# Altium PCB Mother  Board.PcbDoc (part 3 of 4)
Units mil, origin at the board's own origin, x right, y up, seen from the top; angles counter-clockwise.
Board outline 4560 x 3740 mil, 4 copper layers (Signal 1, GND, Power, Signal 2), stack 47.091 mil thick; 315 components, 464 nets, 1661 pads, 728 vias.
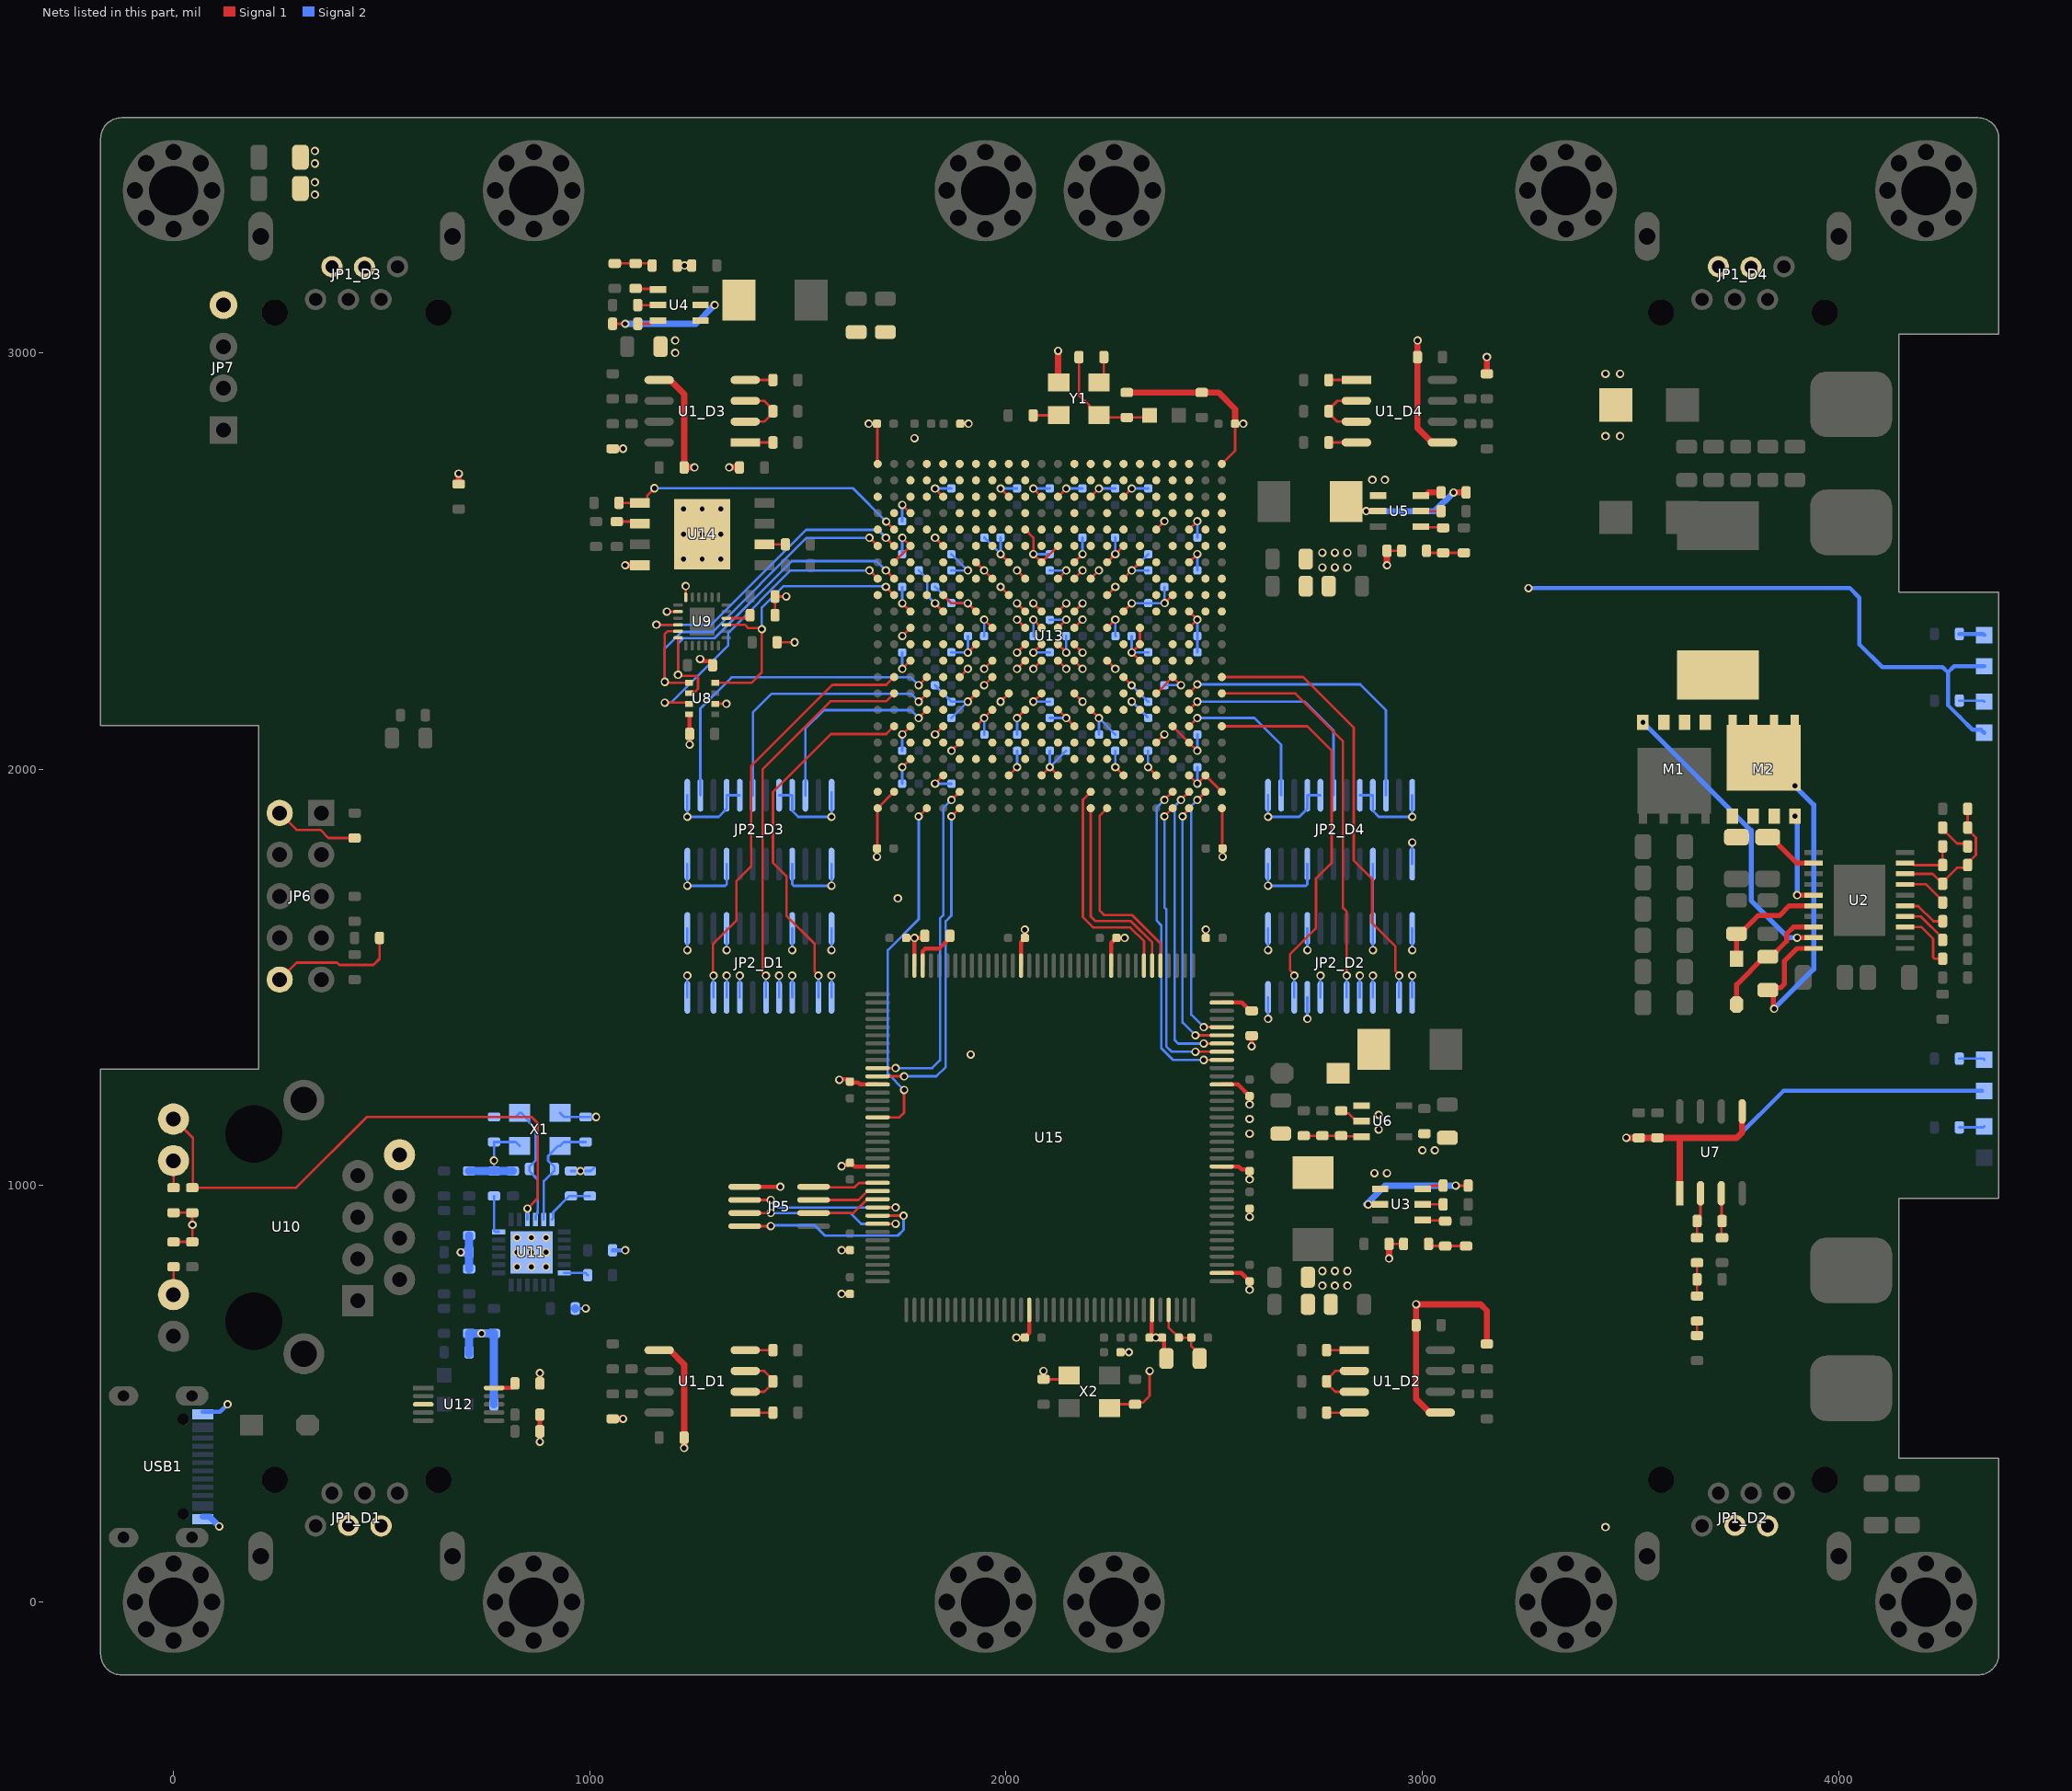
[diagram p5: the nets of this part, all layers, seen from the top]

## Via types
v1: diameter 20, hole 12, Signal 1 to Signal 2, tented both sides, 690 vias
v2: diameter 20, hole 12, Signal 1 to Signal 2, 28 vias
v3: diameter 27.56, hole 27.56, Signal 1 to Signal 2, 10 vias

## Nets (pads, with @x,y where several pads share a name; then routed paths per layer and width w, separated by ;. In a path a pad name is that pad's centre, name@x,y a point inside that pad or via, vN(x,y) a via of type N, cw(c..) or ccw(c..) an arc to the next point about the centre after c; other vN are vias at no path point) (continued)
FSMC_D8: U13.AA19 U15.64 | length 793.6
  Signal 1 w6: v1(2380.59,1926.3) U13.AA19@2400.28,1945.98 ; v1(2475.02,1302.01) U15.64@2518.31,1302.01
  Signal 2 w6: v1(2380.59,1926.3) 2361.59,1907.3 2361.59,1636.82 2373,1625.41 2373,1330.03 2401.02,1302.01 v1(2475.02,1302.01)
FSMC_D9: U13.AB19 U15.65 | length 720.4
  Signal 1 w6: v1(2380.59,1886.93) U13.AB19@2400.28,1906.61 ; v1(2454.86,1321.69) U15.65@2518.31,1321.69
  Signal 2 w6: v1(2380.59,1886.93) 2380.59,1668.14 2385,1663.73 2385,1335 2398.31,1321.69 v1(2454.86,1321.69)
FSMC_D10: U13.AA20 U15.66 | length 727.2
  Signal 1 w6: v1(2419.96,1926.3) U13.AA20@2439.65,1945.98 ; v1(2475.02,1341.38) U15.66@2518.31,1341.38
  Signal 2 w6: v1(2419.96,1926.3) 2405,1911.34 2405,1350 2413.62,1341.38 v1(2475.02,1341.38)
FSMC_D11: U13.AB20 U15.67 | length 628.3
  Signal 1 w6: v1(2424,1886.93) 2424,1888.95 2439.65,1904.59 U13.AB20@2439.65,1906.61 ; v1(2454.86,1361.06) U15.67@2518.31,1361.06
  Signal 2 w6: v1(2424,1886.93) 2424,1391.92 v1(2454.86,1361.06)
FSMC_D12: U13.AA21 U15.68 | length 635.1
  Signal 1 w6: v1(2459.33,1926.3) U13.AA21@2479.02,1945.98 ; v1(2475.02,1380.75) U15.68@2518.31,1380.75
  Signal 2 w6: v1(2459.33,1926.3) 2445,1911.97 2445,1410.76 v1(2475.02,1380.75)
FSMC_D13: U13.AB15 U15.77 | length 485.5
  Signal 1 w6: U13.AB15@2242.8,1906.61 2225,1888.82 2225,1660 2235,1650 2302.54,1650 2370.68,1581.86 U15.77@2370.68,1528.39
FSMC_D14: U13.AB14 U15.78 | length 489.5
  Signal 1 w6: U13.AB14@2203.43,1906.61 2203.43,1646.57 2214.37,1635.63 2299.94,1635.63 2350.99,1584.58 U15.78@2350.99,1528.39
FSMC_D15: U13.AA14 U15.79 | length 538.1
  Signal 1 w6: U13.AA14@2203.43,1945.98 2184.58,1927.14 2184.58,1645.42 2210,1620 2298.6,1620 2331.31,1587.29 U15.79@2331.31,1528.39
FSMC_NE2: U13.AB4 U15.124 | length 854.6
  Signal 1 w6: U15.124@1691.54,1164.21 1744.21,1164.21 1755,1175 v1(1755,1230) ; v1(1790.04,1886.93) U13.AB4@1809.72,1906.61
  Signal 2 w6: v1(1755,1230) 1715.84,1269.16 1715.84,1565.84 1790,1640 v1(1790.04,1886.93)
FSMC_NOE: U13.AA6 U15.118 | length 821.8
  Signal 1 w6: U15.118@1691.54,1282.32 v1(1734.84,1282.32) ; v1(1868.78,1926.3) U13.AA6@1888.46,1945.98
  Signal 2 w6: v1(1734.84,1282.32) 1822.32,1282.32 1841.41,1301.41 1841.41,1641.41 1849.09,1649.09 1849.09,1906.61 v1(1868.78,1926.3)
FSMC_NWE: U13.AB6 U15.119 | length 808.2
  Signal 1 w6: U15.119@1691.54,1262.64 v1(1755,1262.64) ; v1(1868.78,1886.93) U13.AB6@1888.46,1906.61
  Signal 2 w6: v1(1755,1262.64) 1832.64,1262.64 1855,1285 1855,1635 1868.78,1648.78 v1(1868.78,1886.93)
GND: C1_D1.1 C1_D2.1 C1_D3.1 C1_D4.1 C17.2 C18.2 C19.2 C20.2 C21.2 C22.2 C23.1 C24.1 C25.1 C26.1 C27.1 C28.1 C30.1 C31.1 C32.1 C34.2 C35.2 C36.1 C37.1 C38.1 C39.1 C40.1 C41.1 C42.1 C43.1 C44.1 C45.1 C46.1 C47.1 C48.2 C49.2 C50.2 C51.2 C52.2 C53.2 C54.2 C55.2 C56.2 C57.1 C58.1 C59.1 C60.1 C61.1 C62.1 C63.1 C64.1 C65.1 C66.1 C67.1 C68.1 C69.1 C70.1 C71.1 C72.1 C73.1 C74.1 C75.1 C76.1 C77.1 C78.1 C79.1 C80.1 C81.1 C82.1 C83.1 C84.1 C85.1 C86.1 C87.1 C88.1 C89.1 C90.1 C91.1 C92.1 C93.1 C94.1 C95.1 C96.1 C97.1 C98.1 C99.1 C100.1 C101.1 C102.1 C103.2 C104.1 C105.1 C106.1 C107.1 C108.1 C109.1 C110.1 C111.1 C112.1 C113.1 C114.1 C115.1 C117.1 C118.1 C119.1 C120.2 C121.1 C122.1 C123.1 C124.1 C125.1 C126.2 C127.2 C128.2 C129.2 C130.2 C131.2 C132.2 C133.2 C134.2 C135.2 C136.2 C137.2 C138.2 C139.2 C140.1 C141.1 C142.1 C143.1 C144.1 C147.1 C148.1 C149.2 JP1_D1.2 JP1_D1.4 JP1_D2.2 JP1_D2.4 JP1_D3.2 JP1_D3.4 JP1_D4.2 JP1_D4.4 JP2_D1.1 JP2_D1.2 JP2_D1.7 JP2_D1.8 JP2_D1.10 JP2_D1.16 JP2_D1.17 JP2_D1.18 JP2_D1.23 JP2_D1.24 JP2_D2.1 JP2_D2.2 JP2_D2.7 JP2_D2.8 JP2_D2.10 JP2_D2.16 JP2_D2.17 JP2_D2.18 JP2_D2.23 JP2_D2.24 JP2_D3.1 JP2_D3.2 JP2_D3.7 JP2_D3.8 JP2_D3.10 JP2_D3.16 JP2_D3.17 JP2_D3.18 JP2_D3.23 JP2_D3.24 JP2_D4.1 JP2_D4.2 JP2_D4.7 JP2_D4.8 JP2_D4.10 JP2_D4.16 JP2_D4.17 JP2_D4.18 JP2_D4.23 JP2_D4.24 JP5.8 JP6.2 JP6.10 JP7.4 LED2.K LED3.K LED4.K NT1.2 R1_D1.2 R1_D2.2 R1_D3.2 R1_D4.2 R23.2 R24.2 R25.2 R27.2 R33.1 R34.1 R39.1 R40.1 R43.2 R44.1 R46.1 R60.2 R61.2 R63.2 R65.2 U1_D1.5 U1_D2.5 U1_D3.5 U1_D4.5 U3.1 U4.1 U5.1 U6.2 U7.1 U7.5 U8.1 U8.7 U9.18 U9.20 U10.8 U11.25 U12.3 U13.A1 U13.A22 U13.AA2 U13.AA22 U13.AB1 U13.AB22 U13.C5 U13.C9 U13.C11 U13.C12 U13.C14 U13.C16 U13.D3 U13.E10 U13.E18 U13.E20 U13.F3 U13.F5 U13.F12 U13.F16 U13.G2 U13.G7 U13.G9 U13.G11 U13.G13 U13.G15 U13.G17 U13.G20 U13.H8 U13.H10 U13.H12 U13.H13 U13.H14 U13.H16 U13.J5 U13.J9 U13.J15 U13.J19 U13.K3 U13.K7 U13.K10 U13.K11 U13.K12 U13.K13 U13.K16 U13.K20 U13.L3 U13.L8 U13.L10 U13.L11 U13.L12 U13.L13 U13.L15 U13.L17 U13.L20 U13.M7 U13.M10 U13.M11 U13.M12 U13.M13 U13.M17 U13.N3 U13.N8 U13.N10 U13.N11 U13.N12 U13.N13 U13.N15 U13.N17 U13.P6 U13.P8 U13.P16 U13.P19 U13.R7 U13.R9 U13.R11 U13.R13 U13.R18 U13.T8 U13.T10 U13.T12 U13.T14 U13.U3 U13.U5 U13.U7 U13.U13 U13.U19 U13.V6 U13.V18 U13.V20 U13.W3 U13.Y5 U13.Y9 U13.Y11 U13.Y12 U13.Y16 U13.Y18 U13.Y20 U13.Y21 U14.4 U14.9 U15.16 U15.31 U15.38 U15.51 U15.61 U15.83 U15.94 U15.107 U15.120 U15.130 USB1.A1 USB1.A12 USB1.B1 USB1.B12 X1.2 X1.4 X2.2 X2.4 Y1.2 | length 17200.5
  Signal 1 w6: R33.1@0,865 R34.1@45,865 45.47,865.47 v1(45.47,906.03) ; R39.1@0,935 R40.1@45,935 v1@45,906.03 ; JP6.10@255,1495 295.5,1535.5 392.71,1535.5 398.21,1530 480,1530 495,1545 C86.1@495,1595 ; JP6.2@255,1895 295.5,1854.5 352.77,1854.5 372.27,1835 R46.1@435,1835 ; v1(1185,2378.62) U9.20@1210.55,2378.62 ; R24.2@1210,3210 v1(1227.5,3210) C26.1@1245,3210 ; U9.18@1230.63,2414.45 v1(1230.63,2440) ; U8.7@1302.59,2157.4 v1(1328.14,2157.4) ; C40.1@1445,2370 C38.1@1445,2415 v1(1471.93,2415) ; C39.1@1450,2305 v1(1491.93,2305) ; v1(1605,845) R60.2@1625,845 ; v1(1670,2830) C64.1@1690,2830 1690.81,2829.19 1690.81,2734.19 U13.A1@1691.61,2733.39 ; v1(1690,1790) C71.1@1690,1810 1690.81,1810.81 1690.81,1905.81 U13.AB1@1691.61,1906.61 U13.AA2@1730.98,1945.98 ; U13.G2@1730.98,2497.17 U13.F3@1770.35,2536.54 v1(1750.67,2556.22) ; v1(1750.67,2005.04) U13.W3@1770.35,2024.72 ; v1(1750.67,2083.78) U13.U3@1770.35,2103.46 ; v1(1750.67,2241.26) U13.N3@1770.35,2260.94 ; v1(1750.67,2320) U13.L3@1770.35,2339.69 ; v1(1750.67,2398.74) U13.K3@1770.35,2379.06 ; v1(1750.67,2634.96) U13.D3@1770.35,2615.28 ; v1(1829.41,1965.67) U13.Y5@1849.09,1985.35 ; v1(1829.41,2083.78) U13.U5@1849.09,2103.46 ; v1(1829.41,2556.22) U13.F5@1849.09,2536.54 ; v1(1829.41,2674.33) U13.C5@1849.09,2654.65 ; U13.J5@1849.09,2418.43 1868.78,2398.74 v1(1908.15,2398.74) U13.K7@1927.83,2379.06 ; v1(1868.78,2044.41) U13.V6@1888.46,2064.09 ; U13.P6@1888.46,2221.57 v1(1908.15,2241.26) ; C57.1@1890,2830 v1(1910,2830) ; v1(1908.15,2162.52) U13.R7@1927.83,2182.2 ; v1(1908.15,2280.63) U13.M7@1927.83,2300.32 ; U13.U7@1927.83,2103.46 v1(1947.52,2123.15) U13.T8@1967.2,2142.83 ; U13.G7@1927.83,2497.17 v1(1947.52,2477.48) U13.H8@1967.2,2457.8 ; v1(1947.52,2201.89) U13.P8@1967.2,2221.57 ; v1(1947.52,2241.26) U13.N8@1967.2,2260.94 ; v1(1947.52,2359.37) U13.L8@1967.2,2339.69 ; v1(1986.89,2162.52) U13.R9@2006.57,2182.2 ; v1(1986.89,2438.11) U13.J9@2006.57,2418.43 ; v1(1986.89,2516.85) U13.G9@2006.57,2497.17 ; v1(1986.89,2674.33) U13.C9@2006.57,2654.65 ; U13.Y9@2006.57,1985.35 v1(2026.26,2005.04) ; v1(2026.26,2123.15) U13.T10@2045.94,2142.83 ; v1(2026.26,2241.26) U13.N10@2045.94,2260.94 ; v1(2026.26,2280.63) U13.M10@2045.94,2300.32 ; v1(2026.26,2359.37) U13.L10@2045.94,2339.69 ; v1(2026.26,2398.74) U13.K10@2045.94,2379.06 ; v1(2026.26,2477.48) U13.H10@2045.94,2457.8 ; U13.E10@2045.94,2575.91 2065.63,2556.22 v1(2065.63,2516.85) U13.G11@2085.31,2497.17 U13.F12@2124.69,2536.54 ; v1(2065.63,2162.52) U13.R11@2085.31,2182.2 ; v1(2065.63,2241.26) U13.N11@2085.31,2260.94 ; v1(2065.63,2280.63) U13.M11@2085.31,2300.32 ; v1(2065.63,2359.37) U13.L11@2085.31,2339.69 ; v1(2065.63,2398.74) U13.K11@2085.31,2379.06 ; v1(2065.63,2674.33) U13.C11@2085.31,2654.65 ; U13.Y11@2085.31,1985.35 v1(2105,2005.04) U13.Y12@2124.69,1985.35 ; C142.1@2086,535 C142.1@2090,535 ; v1(2090,555) C142.1@2090,535 ; U13.T12@2124.69,2142.83 v1(2144.37,2123.15) U13.U13@2164.06,2103.46 ; U13.N12@2124.69,2260.94 v1(2144.37,2241.26) ; U13.M12@2124.69,2300.32 v1(2144.37,2280.63) ; U13.L12@2124.69,2339.69 v1(2144.37,2359.37) ; U13.K12@2124.69,2379.06 v1(2144.37,2398.74) ; U13.H12@2124.69,2457.8 v1(2144.37,2477.48) ; U13.C12@2124.69,2654.65 v1(2144.37,2674.33) ; X2.4@2151.5,544.5 2142,535 C142.1@2090,535 ; U13.R13@2164.06,2182.2 v1(2183.74,2162.52) ; U13.N13@2164.06,2260.94 v1(2183.74,2241.26) ; U13.M13@2164.06,2300.32 v1(2183.74,2280.63) ; U13.L13@2164.06,2339.69 v1(2183.74,2359.37) ; U13.K13@2164.06,2379.06 v1(2183.74,2398.74) ; U13.H13@2164.06,2457.8 v1(2183.74,2477.48) ; U13.G13@2164.06,2497.17 v1(2183.74,2516.85) ; U13.T14@2203.43,2142.83 v1(2223.11,2123.15) ; U13.H14@2203.43,2457.8 v1(2223.11,2477.48) ; U13.C14@2203.43,2654.65 v1(2223.11,2674.33) ; U13.N15@2242.8,2260.94 v1(2262.48,2241.26) ; U13.L15@2242.8,2339.69 v1(2262.48,2359.37) ; U13.J15@2242.8,2418.43 v1(2262.48,2438.11) ; U13.G15@2242.8,2497.17 v1(2262.48,2516.85) U13.F16@2282.17,2536.54 ; X2.2@2248.5,465.5 2258,475 C143.1@2310,475 ; v1(2262.48,2005.04) U13.Y16@2282.17,1985.35 ; C144.1@2275,600 v1(2295,600) ; U13.P16@2282.17,2221.57 v1@2301.85,2201.89 ; U13.K16@2282.17,2379.06 v1(2301.85,2398.74) ; U13.H16@2282.17,2457.8 v1(2301.85,2477.48) U13.G17@2321.54,2497.17 ; U13.C16@2282.17,2654.65 v1(2301.85,2674.33) ; C143.1@2312.65,475 C143.1@2310,475 ; U13.N17@2321.54,2260.94 v1(2301.85,2280.63) U13.M17@2321.54,2300.32 U13.L17@2321.54,2339.69 ; v1(2341.22,2005.04) U13.Y18@2360.91,1985.35 ; v1(2345,555) 2345,495 2329.25,479.25 2314.25,479.25 C143.1@2310,475 ; U13.V18@2360.91,2064.09 v1(2380.59,2083.78) ; U13.R18@2360.91,2182.2 U13.P19@2400.28,2221.57 v1(2419.96,2201.89) ; U13.E18@2360.91,2575.91 v1(2380.59,2595.59) ; v1(2381.06,2399.21) U13.J19@2400.28,2418.43 ; U13.U19@2400.28,2103.46 U13.V20@2439.65,2064.09 v1(2459.33,2044.41) ; U13.Y20@2439.65,1985.35 v1(2459.33,1965.67) U13.Y21@2479.02,1985.35 U13.AA22@2518.39,1945.98 ; U13.L20@2439.65,2339.69 v1(2459.33,2359.37) U13.K20@2439.65,2379.06 ; U13.G20@2439.65,2497.17 v1(2459.33,2516.85) ; U13.E20@2439.65,2575.91 v1(2459.33,2595.59) ; U13.AB22@2518.39,1906.61 2519.19,1905.81 2519.19,1810.81 C72.1@2520,1810 v1(2520,1790) ; U13.A22@2518.39,2733.39 2550,2765 C70.1@2550,2830 v1(2570,2830) ; v1(2585,925) R61.2@2585,945 ; R27.2@2805,1180 2811.46,1173.54 2823.46,1173.54 2842.01,1155 U6.2@2853.82,1155 ; C28.1@2915,2525 R25.2@2950,2525 ; C24.1@2920,860 R23.2@2955,860
  Signal 1 w10: v2(880,385) C56.2@880,410 C55.2@880,450 ; C54.2@880,525 v2(880,550) ; U8.1@1238.5,2132.32 1239.25,2131.57 1239.25,2085.75 C37.1@1240,2085 v1(1240,2059.45) ; v1(1265,2265) 1270.31,2259.69 1289.04,2259.69 1295,2253.73 C36.1@1295,2250 ; JP5.8@1372.32,997.24 v1(1457.76,997.24) ; v1(1599.32,1254.32) 1600.77,1255.77 1619.23,1255.77 C133.2@1625,1250 1626.9,1248.1 1644,1248.1 1649.15,1242.95 U15.120@1691.54,1242.95 ; v1(1605,740) C131.2@1625,740 ; v1(1605,1046.79) 1607.68,1049.47 1619.47,1049.47 C132.2@1625,1055 1630,1050 1631.96,1050 1635.86,1046.1 U15.130@1667.02,1046.1 ; C137.2@1760,1595 v1@1780,1595 ; U15.107@1780.13,1528.39 U15.107@1780.13,1528.39 v1(1780.06,1594.94) v1@1780,1595 ; C140.1@1800,1595 v1@1780,1595 ; v1(2025,635) C129.2@2045,635 2045,636.08 2055.72,646.8 U15.16@2055.72,701.61 ; U15.94@2036.03,1528.39 2036.03,1584.95 2045,1593.92 C134.2@2045,1595 v1(2045,1615) ; U15.83@2252.57,1528.39 2252.57,1582.57 C127.2@2265,1595 v1(2285,1595) ; U15.31@2350.99,701.61 2350.99,677.17 2350,676.17 2350,640 C126.2@2345,635 v1(2360,635) C139.2@2375,635 2380,630 2380,590 C138.2@2385,585 ; C130.2@2480,1595 v1(2480,1615) ; U15.38@2518.31,790.2 2564.8,790.2 C135.2@2585,770 v1(2585,750) ; U15.51@2518.31,1046.1 2558.76,1046.1 2566,1038.86 2581.14,1038.86 C136.2@2585,1035 v1(2585,1015) ; U15.61@2518.31,1242.95 2557.05,1242.95 C128.2@2585,1215 v1(2585,1195) ; v2(2590,1335) C141.1@2590,1360
  Signal 1 w15: R63.2@685,2685 v1(685,2710) ; R1_D1.2@1055,440 v1(1080,440) ; R1_D3.2@1055,2770 v1(1080,2770) ; v1(1085.4,2490) U14.4@1110,2490 ; U1_D1.5@1166.65,605 1192.24,605 1226.65,570.59 C1_D1.1@1226.65,395 v1(1226.65,370) ; U1_D3.5@1166.65,2935 1192.24,2935 1226.65,2900.59 C1_D3.1@1226.65,2725 v1(1251.26,2725) ; v1(1335,2725) C103.2@1359.6,2725 ; v1(2125,3005) 2125,2941 2120,2936 Y1.2@2126.5,2929.5 ; C121.1@2290,2905 C120.2@2470,2905 2510,2905 2550,2865 C70.1@2550,2830 ; v1(2915,2490) C28.1@2915,2525 ; v1(2920,825) C24.1@2920,860 ; v1(2988.35,3030) C1_D4.1@2988.35,2990 ; C1_D4.1@2990,2991.65 C1_D4.1@2988.35,2990 ; U1_D2.5@3043.35,455 3017.76,455 2985,487.76 C1_D2.1@2985,665 v1(2985,715) 3140,715 3155,700 R1_D2.2@3155,620 ; U1_D4.5@3048.35,2785 3022.76,2785 2988.35,2819.41 C1_D4.1@2988.35,2990 ; R1_D4.2@3155,2950 v1(3155,2990) ; v1(3490,1115) C34.2@3520,1115 C35.2@3565,1115 3614.75,1115 ; U7.1@3618.27,981.57 3618.27,1111.49 3614.75,1115 ; U7.5@3768.27,1178.43 3768.27,1128.27 3755,1115 3614.75,1115
  Signal 2 w6: C42.1@709.99,645.18 C42.1@710.08,645.09 ; C52.2@769.9,645.09 C52.2@769.99,645 ; R44.1@769.99,1035.18 C48.2@770,1105 822.18,1105 X1.4@831.49,1095.68 ; X1.2@928.49,1174.68 938.18,1165 C49.2@990,1165 v1(1015,1165) ; C50.2@954.99,1035.18 v1(977.49,1035.18) C51.2@999.99,1035.18 1002.64,1035.18 C51.2@1010.45,1042.99 ; R43.2@965,705 v1@989.81,705 ; JP2_D1.2@1234.27,1452.32 v1(1234.27,1504.23) ; v1(1234.27,1565.77) JP2_D1.1@1234.27,1617.68 ; JP2_D3.23@1234.27,1772.32 v1(1234.27,1720.41) 1234.68,1720 1325,1720 1328.76,1723.76 JP2_D3.17@1328.76,1772.32 ; JP2_D3.24@1234.27,1937.68 v1(1234.27,1885.77) 1309.33,1885.77 1328.76,1905.2 JP2_D3.18@1328.76,1937.68 JP2_D3.16@1360.26,1937.68 ; JP2_D1.8@1328.76,1452.32 v1(1328.76,1504.23) ; v1(1328.76,1565.77) JP2_D1.7@1328.76,1617.68 ; JP2_D1.10@1360.26,1452.32 v1(1360.26,1504.23) ; JP2_D1.16@1454.74,1452.32 v1(1454.74,1504.23) ; JP2_D3.10@1454.74,1937.68 JP2_D3.8@1486.24,1937.68 1486.24,1900 1500.47,1885.77 v1(1580.73,1885.77) JP2_D3.2@1580.73,1937.68 ; JP2_D1.18@1486.24,1452.32 v1(1486.24,1504.23) ; v1(1486.24,1565.77) JP2_D1.17@1486.24,1617.68 ; JP2_D3.7@1486.24,1772.32 1486.24,1723.76 1490,1720 1580.32,1720 v1(1580.73,1720.41) JP2_D3.1@1580.73,1772.32 ; JP2_D1.24@1580.73,1452.32 v1(1580.73,1504.23) ; v1(1580.73,1565.77) JP2_D1.23@1580.73,1617.68 ; v1@1580.73,1892.32 JP2_D3.2@1580.73,1937.68 ; JP2_D3.2@1580.73,1944.23 JP2_D3.2@1580.73,1937.68 ; C59.1@1750.35,1965.35 1750.51,1965.51 1750.51,2004.88 v1(1750.67,2005.04) v1@1750.51,2005.2 ; C61.1@1750.35,2044.41 1750.51,2044.57 1750.51,2083.62 v1(1750.67,2083.78) ; C74.1@1750.35,2280.63 1750.51,2280.47 1750.51,2241.42 v1(1750.67,2241.26) ; C66.1@1750.35,2437.8 1750.51,2437.64 1750.51,2398.9 v1(1750.67,2398.74) ; C63.1@1750.35,2516.85 1750.51,2517.01 1750.51,2556.06 v1(1750.67,2556.22) ; C60.1@1750.35,2595.59 1750.51,2595.75 1750.51,2634.8 v1(1750.67,2634.96) ; C125.1@1829.25,2437.95 C125.1@1829.41,2437.8 1829.57,2437.8 1868.46,2398.9 1907.99,2398.9 v1(1908.15,2398.74) ; v1(1829.41,1965.67) 1829.57,1965.51 1868.62,1965.51 C81.1@1868.78,1965.35 ; C124.1@1829.41,2202.2 1829.41,2201.73 1868.62,2162.52 1868.62,2162.36 v1@1907.68,2162.36 ; v1(1829.41,2674.33) 1829.57,2674.49 1868.31,2674.49 C62.1@1868.46,2674.65 ; C100.1@1868.46,2123.46 1868.78,2123.46 v1@1907.68,2162.36 ; C91.1@1868.46,2280.94 1868.31,2280.79 1907.99,2280.79 v1(1908.15,2280.63) 1908.31,2280.79 1908.31,2319.84 C110.1@1908.46,2320 ; C87.1@1868.46,2477.8 1868.62,2477.64 v1@1907.68,2477.64 ; C99.1@1868.46,2516.54 1868.78,2516.54 v1@1907.68,2477.64 ; v1@1907.99,2241.1 v1(1908.15,2241.26) ; v1(1908.15,2162.52) 1907.83,2162.52 v1@1907.68,2162.36 ; v1(1908.15,2477.48) 1907.83,2477.48 v1@1907.68,2477.64 ; C107.1@1947.2,2320 1947.36,2320.16 1947.36,2359.21 v1(1947.52,2359.37) ; v1(1947.52,2123.15) 1947.68,2122.99 1947.68,2083.62 C111.1@1947.83,2083.46 ; C102.1@1947.83,2556.54 v1@1986.73,2517.64 ; C92.1@1986.57,2556.54 1986.73,2556.38 v1@1986.73,2517.64 ; v1(1986.89,2516.85) 1986.73,2517.01 v1@1986.73,2517.64 ; v1(1986.89,2674.33) 1987.05,2674.49 2026.1,2674.49 C69.1@2026.26,2674.65 ; v1(2026.26,2005.04) 2026.42,2005.2 2026.42,2044.25 C83.1@2026.57,2044.41 ; v1(2026.26,2123.15) 2026.42,2122.99 2026.42,2083.62 C105.1@2026.57,2083.46 ; v1(2065.63,2162.52) 2065.79,2162.36 2104.84,2162.36 C106.1@2105,2162.2 ; v1(2065.63,2280.63) 2065.79,2280.79 2104.84,2280.79 C114.1@2105,2280.94 ; v1(2065.63,2359.37) 2065.79,2359.21 2065.79,2320.16 C109.1@2065.94,2320 ; v1(2065.63,2516.85) 2065.79,2516.69 2104.84,2516.69 C117.1@2105,2516.54 ; v1(2065.63,2674.33) 2065.79,2674.49 2104.84,2674.49 C75.1@2105,2674.65 ; v1(2105,2005.04) 2105,2005.2 v1@2105.16,2005.35 ; C108.1@2105,2123.46 2105.16,2123.31 2144.21,2123.31 v1(2144.37,2123.15) ; C118.1@2105,2359.06 2105.16,2359.21 2144.21,2359.21 v1(2144.37,2359.37) ; C115.1@2105,2477.8 2105.16,2477.64 2144.21,2477.64 v1(2144.37,2477.48) ; C85.1@2105.31,2044.41 2105.16,2044.25 v1@2105.16,2005.35 ; C68.1@2144.06,2044.41 2144.06,2044.25 v1@2105.16,2005.35 ; C113.1@2144.06,2320 2144.21,2319.84 2144.21,2280.79 v1(2144.37,2280.63) ; v1(2144.37,2674.33) 2144.53,2674.49 2183.27,2674.49 C67.1@2183.43,2674.65 ; C90.1@2183.43,2556.54 2183.58,2556.38 2183.58,2517.01 v1(2183.74,2516.85) ; v1(2223.11,2123.15) v1@2223.11,2122.83 ; v1(2223.11,2674.33) 2223.27,2674.49 2262.01,2674.49 C73.1@2262.17,2674.65 ; C94.1@2223.43,2083.46 2223.27,2083.62 2223.27,2122.68 v1@2223.11,2122.83 ; C82.1@2262.17,2044.41 2262.32,2044.25 2262.32,2005.2 v1(2262.48,2005.04) ; C93.1@2262.17,2083.46 2262.17,2083.78 v1@2223.11,2122.83 ; C88.1@2262.17,2556.54 2262.32,2556.38 2262.32,2517.01 v1(2262.48,2516.85) ; v1(2262.48,2359.37) 2262.64,2359.21 2262.64,2320.16 C112.1@2262.8,2320 ; C119.1@2301.54,2320 2301.69,2319.84 2301.69,2280.79 v1(2301.85,2280.63) 2302.01,2280.79 2341.38,2280.79 C96.1@2341.54,2280.94 ; v1(2301.69,2201.73) 2301.85,2201.73 2341.38,2162.2 C101.1@2341.54,2162.2 C101.1@2341.69,2162.36 ; v1(2301.85,2162.52) 2302.48,2162.52 C89.1@2340,2125 ; v1@2301.85,2201.89 v1@2302.01,2202.05 ; v1(2301.85,2398.74) 2302.01,2398.9 2341.38,2398.9 C97.1@2341.54,2399.06 v1@2380.91,2399.06 ; v1(2301.85,2477.48) 2302.17,2477.48 v1@2302.32,2477.64 ; v1(2301.85,2674.33) 2302.01,2674.49 2341.38,2674.49 C65.1@2341.54,2674.65 ; C80.1@2340.91,2044.41 2341.06,2044.25 2341.06,2005.2 v1(2341.22,2005.04) ; C95.1@2341.54,2477.8 2341.38,2477.64 v1@2302.32,2477.64 ; C98.1@2341.54,2516.54 2341.22,2516.54 v1@2302.32,2477.64 ; C123.1@2380.59,2202.2 2380.75,2202.05 2419.8,2202.05 v1(2419.96,2201.89) ; C122.1@2380.59,2437.8 2380.83,2437.56 2380.83,2399.45 v1(2381.06,2399.21) ; v1(2459.33,1965.67) 2459.49,1965.83 2459.49,2004.88 C77.1@2459.65,2005.04 ; v1(2459.33,2044.41) 2459.49,2044.57 2459.49,2083.31 C78.1@2459.65,2083.46 ; v1(2459.33,2359.37) 2459.49,2359.21 2459.49,2320.16 C76.1@2459.65,2320 C58.1@2459.65,2280.94 C58.1@2459.49,2280.79 ; v1(2459.33,2516.85) 2459.49,2516.69 2459.49,2477.95 C79.1@2459.65,2477.8 ; v1(2459.33,2595.59) 2459.49,2595.43 2459.49,2556.69 C84.1@2459.65,2556.54 ; v1(2629.27,1400.41) JP2_D2.2@2629.27,1452.32 ; v1(2629.27,1565.77) JP2_D2.1@2629.27,1617.68 ; JP2_D4.23@2629.27,1772.32 v1(2629.27,1720.41) 2629.68,1720 2720,1720 2723.76,1723.76 JP2_D4.17@2723.76,1772.32 ; JP2_D4.24@2629.27,1937.68 v1(2629.27,1885.77) 2704.33,1885.77 2723.76,1905.2 JP2_D4.18@2723.76,1937.68 JP2_D4.16@2755.26,1937.68 ; v1(2723.76,1400.41) JP2_D2.8@2723.76,1452.32 ; v1(2723.76,1565.77) JP2_D2.7@2723.76,1617.68 ; JP2_D2.10@2755.26,1452.32 v1(2755.26,1504.23) ; JP2_D2.16@2849.74,1452.32 v1(2849.74,1504.23) ; JP2_D4.10@2849.74,1937.68 JP2_D4.8@2881.24,1937.68 2881.24,1900 2895.47,1885.77 v1(2975.73,1885.77) JP2_D4.2@2975.73,1937.68 ; JP2_D2.18@2881.24,1452.32 v1(2881.24,1504.23) ; v1(2881.24,1565.77) JP2_D2.17@2881.24,1617.68 JP2_D4.7@2881.24,1772.32 ; JP2_D2.24@2975.73,1452.32 v1(2975.73,1504.23) ; v1(2975.73,1565.77) JP2_D2.23@2975.73,1617.68 ; JP2_D4.1@2975.73,1772.32 v1(2975.73,1824.23)